# KiCad board mtk64_R_rev2.kicad_pcb (continued)
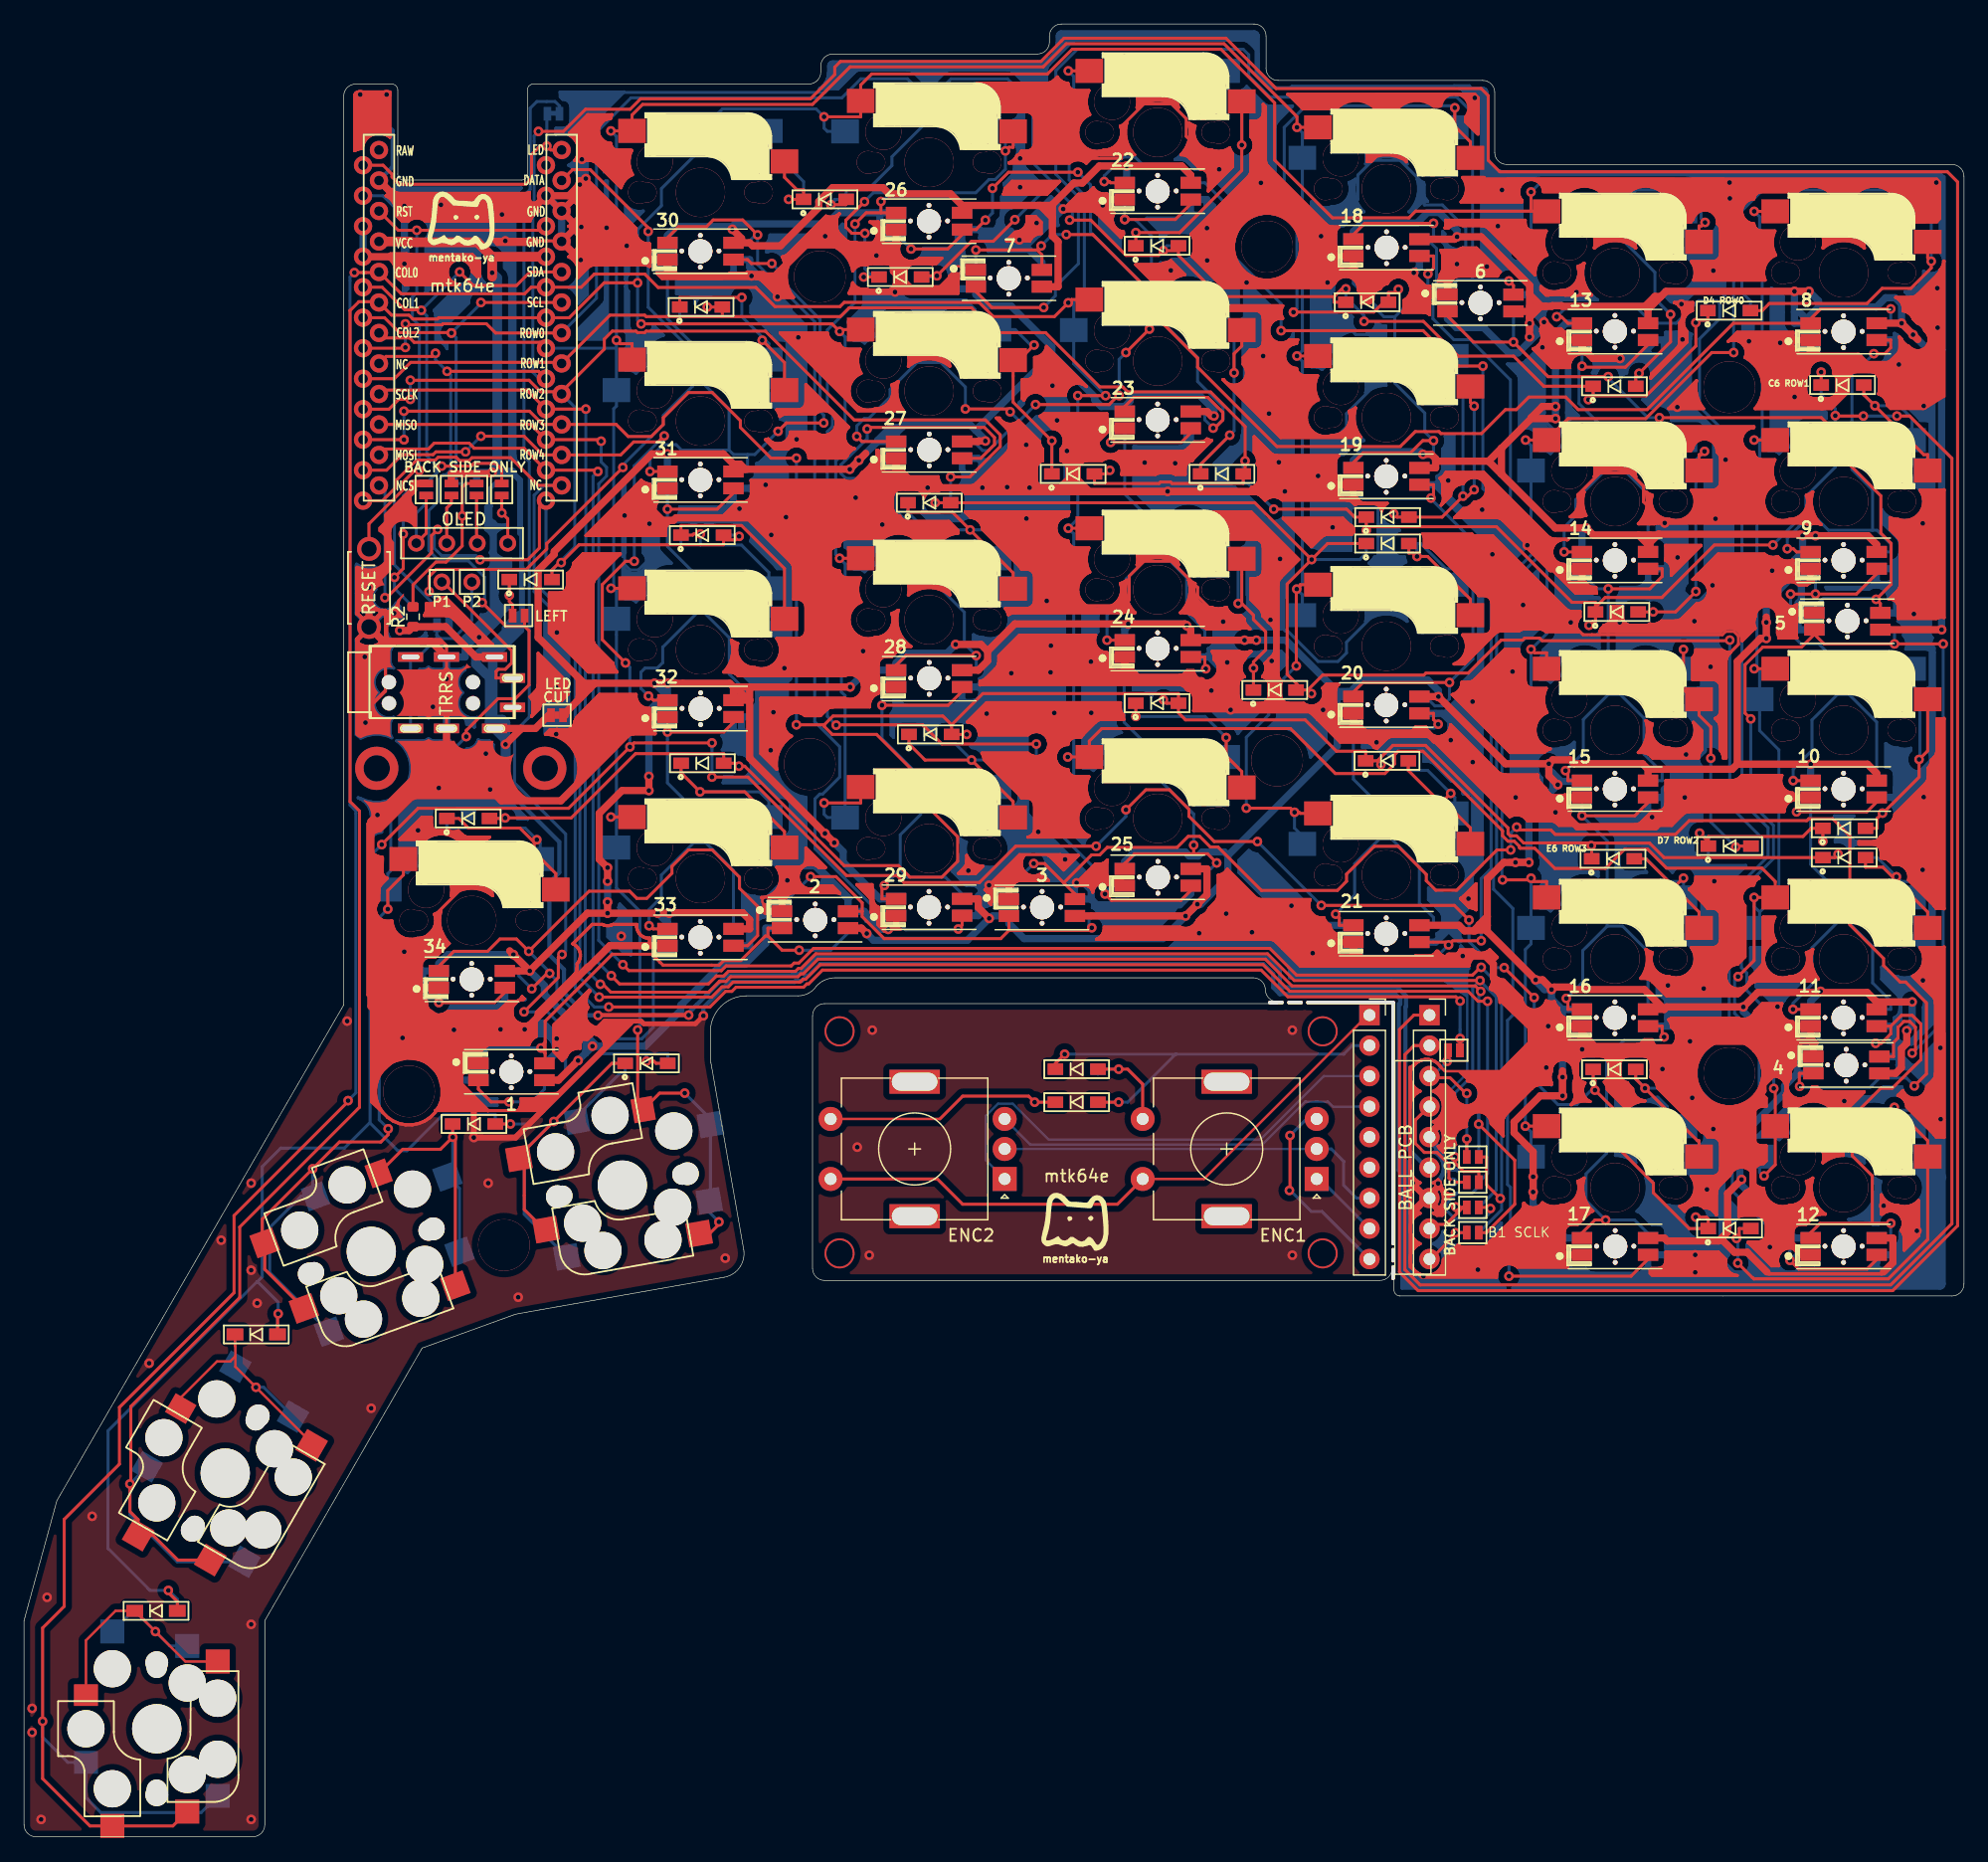
[diagram p0: board, top side]
## Routing (per net, layer and track width the routed paths; a pad name or vN(x,y) marks a point on that pad's centre or on a via; arc(x,y) is an arc through that point) (continued)
 48.3,67.52 48.47,67.63 ; 48.3,67.52 48.11,67.44 ; 48.3,67.52 48.47,67.63 ; 48.11,67.44 47.91,67.4 ; 48.11,67.44 47.91,67.4 ; 105.26,122.69 105.4,122.54 ; 105.26,122.69 105.4,122.54 ; 105.26,122.69 105.14,122.86 ; 105.26,122.69 105.14,122.86 ; 105.4,122.54 105.57,122.43 ; 105.4,122.54 105.57,122.43 ; 87.8,142.13 87.8,141.82 ; 87.8,142.13 87.8,141.82 ; 145.88,133.76 145.75,133.44 ; 145.88,133.76 145.75,133.44 ; 145.88,133.76 144.76,133.76 ; 145.88,133.76 144.76,133.76 ; 145.75,133.44 145.66,133.03 ; 145.75,133.44 145.66,133.03 ; 61.4,129.69 61.27,129.76 ; 61.4,129.69 61.52,129.59 ; 61.4,129.69 61.27,129.76 ; 61.4,129.69 61.52,129.59 ; 61.27,129.76 61.13,129.8 ; 61.27,129.76 61.13,129.8 ; 63.55,93.29 63.44,93.12 ; 63.55,93.29 63.7,93.43 ; 63.55,93.29 63.7,93.43 ; 63.55,93.29 63.44,93.12 ; 63.44,93.12 63.36,92.93 ; 63.44,93.12 63.36,92.93 ; 89.94,140.49 90.11,140.49 ; 89.94,140.49 89.84,140.45 ; 89.94,140.49 89.84,140.45 ; 89.94,140.49 90.11,140.49 ; 90.11,140.49 90.39,140.55 ; 90.11,140.49 90.39,140.55 ; 42.38,94.6 42.34,94.72 ; 42.38,94.6 42.34,94.72 ; 42.34,94.72 42.28,94.83 ; 42.34,94.72 42.28,94.83 ; 68.91,112.87 69.11,112.91 ; 68.91,112.87 69.11,112.91 ; 68.91,112.87 68.7,112.87 ; 68.91,112.87 68.7,112.87 ; 69.11,112.91 69.29,112.99 ; 69.11,112.91 69.29,112.99 ; 125.47,133.81 125.59,133.77 ; 125.47,133.81 125.36,133.87 ; 125.47,133.81 125.36,133.87 ; 125.47,133.81 125.59,133.77 ; 125.59,133.77 125.71,133.76 ; 125.59,133.77 125.71,133.76 ; 155.39,81.33 155.36,81.35 ; 155.39,81.33 155.42,81.3 ; 155.39,81.33 155.42,81.3 ; 155.39,81.33 155.36,81.35 ; 155.36,81.35 155.3,81.4 ; 155.36,81.35 155.3,81.4 ; 74.94,111.6 74.93,111.73 ; 74.94,111.6 74.94,111.48 ; 74.94,111.6 74.94,111.48 ; 74.94,111.6 74.93,111.73 ; 74.93,111.73 74.89,111.84 ; 74.93,111.73 74.89,111.84 ; 87.02,88.7 87.08,88.59 ; 87.02,88.7 87.08,88.59 ; 87.02,88.7 86.98,88.82 ; 87.02,88.7 86.98,88.82 ; 87.08,88.59 87.16,88.49 ; 87.08,88.59 87.16,88.49 ; 42.22,136.09 42.28,135.98 ; 42.22,136.09 42.13,136.35 ; 42.22,136.09 42.28,135.98 ; 42.22,136.09 42.13,136.35 ; 42.28,135.98 42.52,135.91 ; 42.28,135.98 42.52,135.91 ; 59.43,99.31 59.37,99.02 ; 59.43,99.31 59.47,99.4 ; 59.43,99.31 59.47,99.4 ; 59.43,99.31 59.37,99.02 ; 59.37,99.02 59.37,98.73 ; 59.37,99.02 59.37,98.73 ; 70.47,114.17 70.53,114.32 ; 70.47,114.17 70.36,114 ; 70.47,114.17 70.36,114 ; 70.47,114.17 70.53,114.32 ; 70.53,114.32 70.54,114.33 ; 70.53,114.32 70.54,114.33 ; 127.94,128.75 128.04,128.79 ; 127.94,128.75 128.04,128.79 ; 127.94,128.75 127.64,128.69 ; 127.94,128.75 127.64,128.69 ; 128.04,128.79 128.21,128.79 ; 128.04,128.79 128.21,128.79 ; 42.68,61.53 42.55,61.49 ; 42.68,61.53 42.8,61.59 ; 42.68,61.53 42.55,61.49 ; 42.68,61.53 42.8,61.59 ; 42.55,61.49 42.44,61.48 ; 42.55,61.49 42.44,61.48 ; 101.79,130.29 102.25,129.98 ; 101.79,130.29 101.4,130.68 ; 101.79,130.29 101.4,130.68 ; 101.79,130.29 102.25,129.98 ; 102.25,129.98 102.75,129.77 ; 102.25,129.98 102.75,129.77 ; 135.91,72.18 136.11,71.97 ; 135.91,72.18 135.74,72.42 ; 135.91,72.18 135.74,72.42 ; 135.91,72.18 136.11,71.97 ; 136.11,71.97 136.36,71.81 ; 136.11,71.97 136.36,71.81 ; 102.17,138.52 102.09,138.38 ; 102.17,138.52 102.09,138.38 ; 128.37,104.88 128.43,104.77 ; 128.37,104.88 128.33,105 ; 128.37,104.88 128.33,105 ; 128.37,104.88 128.43,104.77 ; 128.43,104.77 128.51,104.67 ; 128.43,104.77 128.51,104.67 ; 90.33,135.52 90.41,135.42 ; 90.33,135.52 90.27,135.63 ; 90.33,135.52 90.41,135.42 ; 90.33,135.52 90.27,135.63 ; 90.41,135.42 90.51,135.35 ; 90.41,135.42 90.51,135.35 ; 94.95,108.33 95.11,107.94 ; 94.95,108.33 94.87,108.75 ; 94.95,108.33 94.87,108.75 ; 94.95,108.33 95.11,107.94 ; 95.11,107.94 95.34,107.59 ; 95.11,107.94 95.34,107.59 ; 111.68,130.13 111.71,130.13 ; 111.68,130.13 111.57,130.14 ; 111.68,130.13 111.71,130.13 ; 111.68,130.13 111.57,130.14 ; 111.71,130.13 111.74,130.13 ; 111.71,130.13 111.74,130.13 ; 87.49,145.47 87.61,145.46 ; 87.49,145.47 87.37,145.51 ; 87.49,145.47 87.37,145.51 ; 87.49,145.47 87.61,145.46 ; 87.61,145.46 88.73,145.46 ; 87.61,145.46 88.73,145.46 ; 90.05,81.15 90.17,81.25 ; 90.05,81.15 89.92,81.08 ; 90.05,81.15 89.92,81.08 ; 90.05,81.15 90.17,81.25 ; 90.17,81.25 90.19,81.28 ; 90.17,81.25 90.19,81.28 ; 133.44,114.94 133.74,114.65 ; 133.44,114.94 133.21,115.29 ; 133.44,114.94 133.74,114.65 ; 133.44,114.94 133.21,115.29 ; 133.74,114.65 134.09,114.41 ; 133.74,114.65 134.09,114.41 ; 89.07,78.83 89.04,78.69 ; 89.07,78.83 89.04,78.69 ; 89.07,78.83 89.15,79.02 ; 89.07,78.83 89.15,79.02 ; 89.04,78.69 89.04,78.73 ; 89.04,78.69 89.04,78.73 ; 97.27,75.78 97.44,75.9 ; 97.27,75.78 97.08,75.7 ; 97.27,75.78 97.08,75.7 ; 97.27,75.78 97.44,75.9 ; 97.44,75.9 97.58,76.04 ; 97.44,75.9 97.58,76.04 ; 74.01,131.03 73.89,130.99 ; 74.01,131.03 74.14,131.04 ; 74.01,131.03 74.14,131.04 ; 74.01,131.03 73.89,130.99 ; 73.89,130.99 73.78,130.93 ; 73.89,130.99 73.78,130.93 ; 74.14,128.81 75.44,128.81 ; 74.14,128.81 75.44,128.81 ; 74.14,128.81 74.01,128.82 ; 74.14,128.81 74.01,128.82 ; 75.44,128.81 75.56,128.82 ; 75.44,128.81 75.56,128.82 ; 127.87,68.93 127.87,68.89 ; 127.87,68.93 127.87,68.89 ; 127.87,68.93 127.87,68.96 ; 127.87,68.93 127.87,68.96 ; 127.87,68.89 127.88,68.88 ; 127.87,68.89 127.88,68.88 ; 90.38,117.2 90.35,117.17 ; 90.38,117.2 91.58,117.2 ; 90.38,117.2 90.35,117.17 ; 90.38,117.2 91.58,117.2 ; 90.35,117.17 90.23,117.15 ; 90.35,117.17 90.23,117.15 ; 102.85,123.92 102.96,123.98 ; 102.85,123.92 102.73,123.88 ; 102.85,123.92 102.96,123.98 ; 102.85,123.92 102.73,123.88 ; 102.96,123.98 103.06,124.05 ; 102.96,123.98 103.06,124.05 ; 113.47,111.01 113.33,110.86 ; 113.47,111.01 113.33,110.86 ; 113.47,111.01 113.58,111.08 ; 113.47,111.01 113.58,111.08 ; 113.33,110.86 113.22,110.69 ; 113.33,110.86 113.22,110.69 ; 82.19,77.96 81.93,77.96 ; 82.19,77.96 81.93,77.96 ; 82.19,77.96 82.19,77.98 ; 82.19,77.96 82.19,77.98 ; 81.93,77.96 81.93,77.98 ; 81.93,77.96 81.93,77.98 ; 72.95,75.59 72.79,75.75 ; 72.95,75.59 72.79,75.75 ; 33.26,73.08 33.18,72.98 ; 33.26,73.08 33.36,73.16 ; 33.26,73.08 33.18,72.98 ; 33.26,73.08 33.36,73.16 ; 33.18,72.98 33.12,72.87 ; 33.18,72.98 33.12,72.87 ; 49.01,74.28 48.97,74.28 ; 49.01,74.28 49.05,74.28 ; 49.01,74.28 48.97,74.28 ; 49.01,74.28 49.05,74.28 ; 48.97,74.28 48.86,74.26 ; 48.97,74.28 48.86,74.26 ; 28.07,131.62 28.05,131.63 ; 28.07,131.62 28.05,131.6 ; 28.07,131.62 28.05,131.63 ; 28.07,131.62 28.05,131.6 ; 28.05,131.63 28.23,131.81 ; 28.05,131.63 28.23,131.81 ; 128.48,48.35 128.33,48.19 ; 128.48,48.35 128.33,48.19 ; 128.48,48.35 129.68,48.35 ; 128.48,48.35 129.68,48.35 ; 84.58,120.3 84.38,120.34 ; 84.58,120.3 84.77,120.22 ; 84.58,120.3 84.77,120.22 ; 84.58,120.3 84.38,120.34 ; 84.38,120.34 84.18,120.34 ; 84.38,120.34 84.18,120.34 ; 122.24,70.6 122.21,70.6 ; 122.24,70.6 122.21,70.6 ; 70.48,134.51 70.48,134.52 ; 70.48,134.51 70.55,134.49 ; 70.48,134.51 70.48,134.52 ; 70.48,134.51 70.55,134.49 ; 70.48,134.52 71.19,134.52 ; 70.48,134.52 71.19,134.52 ; 44.66,65.38 44.56,65.46 ; 44.66,65.38 44.56,65.46 ; 44.66,65.38 44.74,65.28 ; 44.66,65.38 44.74,65.28 ; 44.56,65.46 44.45,65.51 ; 44.56,65.46 44.45,65.51 ; 100.92,120.91 101.12,120.95 ; 100.92,120.91 100.72,120.91 ; 100.92,120.91 101.12,120.95 ; 100.92,120.91 100.72,120.91 ; 101.12,120.95 101.31,121.03 ; 101.12,120.95 101.31,121.03 ; 71.69,113.7 71.81,113.69 ; 71.69,113.7 71.81,113.69 ; 71.69,113.7 71.57,113.74 ; 71.69,113.7 71.57,113.74 ; 71.81,113.69 72.37,113.69 ; 71.81,113.69 72.37,113.69 ; 87.86,141.51 87.98,141.22 ; 87.86,141.51 87.8,141.82 ; 87.86,141.51 87.98,141.22 ; 87.86,141.51 87.8,141.82 ; 87.98,141.22 88.15,140.97 ; 87.98,141.22 88.15,140.97 ; 47,94.19 47.03,94.23 ; 47,94.19 46.97,94.16 ; 47,94.19 46.97,94.16 ; 47,94.19 47.03,94.23 ; 47.03,94.23 47.31,94.5 ; 47.03,94.23 47.31,94.5 ; 129.96,65.03 129.84,64.99 ; 129.96,65.03 130.09,65.04 ; 129.96,65.03 130.09,65.04 ; 129.96,65.03 129.84,64.99 ; 129.84,64.99 129.73,64.93 ; 129.84,64.99 129.73,64.93 ; 119.51,130.01 119.41,130 ; 119.51,130.01 119.41,130 ; 119.51,130.01 119.55,130.01 ; 119.51,130.01 119.55,130.01 ; 119.41,130 119.28,129.96 ; 119.41,130 119.28,129.96 ; 95.03,131.09 95.23,131.13 ; 95.03,131.09 94.95,131.09 ; 95.03,131.09 95.23,131.13 ; 95.03,131.09 94.95,131.09 ; 95.23,131.13 95.42,131.21 ; 95.23,131.13 95.42,131.21 ; 81.73,137.28 82.34,137.9 ; 81.73,137.28 82.34,137.9 ; 81.73,137.28 81.73,137.22 ; 81.73,137.28 81.73,137.22 ; 82.34,137.9 86.29,137.9 ; 82.34,137.9 86.29,137.9 ; 118.91,134.19 118.74,134.08 ; 118.91,134.19 118.74,134.08 ; 118.91,134.19 119.1,134.27 ; 118.91,134.19 119.1,134.27 ; 118.74,134.08 118.67,134.01 ; 118.74,134.08 118.67,134.01 ; 127.3,122.39 125.74,123.94 ; 127.3,122.39 128.78,122.39 ; 127.3,122.39 125.74,123.94 ; 127.3,122.39 128.78,122.39 ; 74.66,112.13 74.55,112.19 ; 74.66,112.13 74.76,112.05 ; 74.66,112.13 74.55,112.19 ; 74.66,112.13 74.76,112.05 ; 74.55,112.19 74.43,112.23 ; 74.55,112.19 74.43,112.23 ; 133.24,117.37 133.21,117.32 ; 133.24,117.37 133.21,117.32 ; 133.21,117.32 133.05,116.93 ; 133.21,117.32 133.05,116.93 ; 63,90.67 62.79,90.16 ; 63,90.67 62.79,90.16 ; 63,90.67 63.3,91.13 ; 63,90.67 63.3,91.13 ; 62.79,90.16 62.68,89.62 ; 62.79,90.16 62.68,89.62 ; 58.74,97.6 58.94,98.09 ; 58.74,97.6 58.94,98.09 ; 58.74,97.6 58.45,97.16 ; 58.74,97.6 58.45,97.16 ; 89.4,79.33 89.26,79.19 ; 89.4,79.33 89.57,79.45 ; 89.4,79.33 89.26,79.19 ; 89.4,79.33 89.57,79.45 ; 89.26,79.19 89.15,79.02 ; 89.26,79.19 89.15,79.02 ; 68.77,128.63 68.98,129.14 ; 68.77,128.63 68.73,128.57 ; 68.77,128.63 68.73,128.57 ; 68.77,128.63 68.98,129.14 ; 68.98,129.14 69.04,129.44 ; 68.98,129.14 69.04,129.44 ; 117.11,126.79 117.02,126.87 ; 117.11,126.79 117.11,127.56 ; 117.11,126.79 117.11,127.56 ; 117.11,126.79 117.02,126.87 ; 117.02,126.87 116.88,126.94 ; 117.02,126.87 116.88,126.94 ; 100.19,127.13 100.07,127.1 ; 100.19,127.13 100.07,127.1 ; 100.19,127.13 100.31,127.14 ; 100.19,127.13 100.31,127.14 ; 100.07,127.1 99.96,127.04 ; 100.07,127.1 99.96,127.04 ; 111.57,111.09 111.68,111.08 ; 111.57,111.09 111.68,111.08 ; 111.57,111.09 111.44,111.13 ; 111.57,111.09 111.44,111.13 ; 111.68,111.08 111.71,111.08 ; 111.68,111.08 111.71,111.08 ; 102.75,129.77 103.29,129.67 ; 102.75,129.77 103.29,129.67 ; 83.21,81.56 83.13,81.37 ; 83.21,81.56 83.32,81.73 ; 83.21,81.56 83.13,81.37 ; 83.21,81.56 83.32,81.73 ; 83.13,81.37 83.09,81.17 ; 83.13,81.37 83.09,81.17 ; 127.66,64.58 127.52,64.46 ; 127.66,64.58 127.83,64.67 ; 127.66,64.58 127.83,64.67 ; 127.66,64.58 127.52,64.46 ; 127.52,64.46 127.4,64.32 ; 127.52,64.46 127.4,64.32 ; 130.12,104.49 130.18,104.39 ; 130.12,104.49 130.1,104.49 ; 130.12,104.49 130.18,104.39 ; 130.12,104.49 130.1,104.49 ; 130.18,104.39 130.27,104.28 ; 130.18,104.39 130.27,104.28 ; 68.58,117.31 68.47,117.14 ; 68.58,117.31 68.7,117.42 ; 68.58,117.31 68.47,117.14 ; 68.58,117.31 68.7,117.42 ; 68.47,117.14 68.39,116.95 ; 68.47,117.14 68.39,116.95 ; 72.79,134 72.81,134 ; 72.79,134 72.79,134.02 ; 72.79,134 72.79,134.02 ; 72.79,134 72.81,134 ; 72.81,134 72.81,133.75 ; 72.81,134 72.81,133.75 ; 71.57,98.27 71.46,98.21 ; 71.57,98.27 71.69,98.3 ; 71.57,98.27 71.69,98.3 ; 71.57,98.27 71.46,98.21 ; 71.46,98.21 71.36,98.13 ; 71.46,98.21 71.36,98.13 ; 148.5,120.21 148.55,120.1 ; 148.5,120.21 148.46,120.33 ; 148.5,120.21 148.55,120.1 ; 148.5,120.21 148.46,120.33 ; 148.55,120.1 148.63,120 ; 148.55,120.1 148.63,120 ; 42.7,135.73 42.77,135.49 ; 42.7,135.73 43.49,136.52 ; 42.7,135.73 43.49,136.52 ; 42.7,135.73 42.77,135.49 ; 42.77,135.49 42.9,135.43 ; 42.77,135.49 42.9,135.43 ; 89.77,75.06 89.88,75.23 ; 89.77,75.06 89.88,75.23 ; 89.77,75.06 89.62,74.92 ; 89.77,75.06 89.62,74.92 ; 89.88,75.23 89.96,75.42 ; 89.88,75.23 89.96,75.42 ; 31.25,129.75 30.94,130.05 ; 31.25,129.75 31.31,129.71 ; 31.25,129.75 30.94,130.05 ; 31.25,129.75 31.31,129.71 ; 30.94,130.05 30.97,130.21 ; 30.94,130.05 30.97,130.21 ; 103.43,97.05 103.47,97.25 ; 103.43,97.05 103.35,96.86 ; 103.43,97.05 103.47,97.25 ; 103.43,97.05 103.35,96.86 ; 103.47,97.25 103.47,97.45 ; 103.47,97.25 103.47,97.45 ; 67.37,94.12 67.26,94.11 ; 67.37,94.12 67.26,94.11 ; 67.37,94.12 67.41,94.12 ; 67.37,94.12 67.41,94.12 ; 69.87,99.85 70.17,99.79 ; 69.87,99.85 69.58,99.97 ; 69.87,99.85 70.17,99.79 ; 69.87,99.85 69.58,99.97 ; 70.17,99.79 70.49,99.79 ; 70.17,99.79 70.49,99.79 ; 141.05,115.51 141.01,115.71 ; 141.05,115.51 141.05,115.34 ; 141.05,115.51 141.05,115.34 ; 141.05,115.51 141.01,115.71 ; 141.01,115.71 140.94,115.9 ; 141.01,115.71 140.94,115.9 ; 63.3,130.75 63.34,130.95 ; 63.3,130.75 63.22,130.56 ; 63.3,130.75 63.22,130.56 ; 63.3,130.75 63.34,130.95 ; 63.34,130.95 63.34,131.15 ; 63.34,130.95 63.34,131.15 ; 45.95,71.95 46.03,72.08 ; 45.95,71.95 45.89,71.87 ; 45.95,71.95 45.89,71.87 ; 45.95,71.95 46.03,72.08 ; 46.03,72.08 46.04,72.12 ; 46.03,72.08 46.04,72.12 ; 128.51,66.57 128.61,66.49 ; 128.51,66.57 128.43,66.67 ; 128.51,66.57 128.43,66.67 ; 128.51,66.57 128.61,66.49 ; 128.61,66.49 128.72,66.44 ; 128.61,66.49 128.72,66.44 ; 89.62,116.64 89.54,116.45 ; 89.62,116.64 89.73,116.81 ; 89.62,116.64 89.73,116.81 ; 89.62,116.64 89.54,116.45 ; 89.54,116.45 89.5,116.25 ; 89.54,116.45 89.5,116.25 ; 73.03,119.15 73.28,118.78 ; 73.03,119.15 73.28,118.78 ; 73.28,118.78 69.48,118.78 ; 73.28,118.78 69.48,118.78 ; 74.92,105.83 75,106.25 ; 74.92,105.83 75,106.25 ; 75,106.25 75,106.67 ; 75,106.25 75,106.67 ; 118.1,61.49 117.95,61.71 ; 118.1,61.49 117.95,61.71 ; 118.1,61.49 118.2,61.23 ; 118.1,61.49 118.2,61.23 ; 117.95,61.71 117.75,61.91 ; 117.95,61.71 117.75,61.91 ; 96.57,115.4 96.71,115.44 ; 96.57,115.4 96.46,115.39 ; 96.57,115.4 96.71,115.44 ; 96.57,115.4 96.46,115.39 ; 96.71,115.44 96.84,115.52 ; 96.71,115.44 96.84,115.52 ; 115.17,128.1 115.31,128.25 ; 115.17,128.1 115,127.99 ; 115.17,128.1 115,127.99 ; 115.17,128.1 115.31,128.25 ; 115.31,128.25 115.43,128.42 ; 115.31,128.25 115.43,128.42 ; 133.05,63.21 133.1,63.1 ; 133.05,63.21 133.01,63.33 ; 133.05,63.21 133.1,63.1 ; 133.05,63.21 133.01,63.33 ; 133.1,63.1 133.18,63 ; 133.1,63.1 133.18,63 ; 141.01,53.54 141.01,51.8 ; 141.01,53.54 141,53.59 ; 141.01,53.54 141.01,51.8 ; 141.01,53.54 141,53.59 ; 141.01,51.8 140.96,51.89 ; 141.01,51.8 140.96,51.89 ; 111.13,130.44 111.22,130.33 ; 111.13,130.44 111.22,130.33 ; 111.13,130.44 111.07,130.54 ; 111.13,130.44 111.07,130.54 ; 111.22,130.33 111.32,130.24 ; 111.22,130.33 111.32,130.24 ; 123.52,60.24 123.48,60.21 ; 123.52,60.24 125.63,62.35 ; 123.52,60.24 123.48,60.21 ; 123.52,60.24 125.63,62.35 ; 123.48,60.21 123.37,60.07 ; 123.48,60.21 123.37,60.07 ; 93.19,106.26 92.75,105.96 ; 93.19,106.26 92.75,105.96 ; 93.19,106.26 93.68,106.46 ; 93.19,106.26 93.68,106.46 ; 92.75,105.96 92.73,105.95 ; 92.75,105.96 92.73,105.95 ; 103.49,139.38 103.56,139.24 ; 103.49,139.38 103.45,139.52 ; 103.49,139.38 103.56,139.24 ; 103.49,139.38 103.45,139.52 ; 103.56,139.24 103.6,139.2 ; 103.56,139.24 103.6,139.2 ; 63.31,76.96 63.29,76.96 ; 63.31,76.96 63.31,77.22 ; 63.31,76.96 63.31,77.22 ; 63.31,76.96 63.29,76.96 ; 63.29,76.96 63.29,76.94 ; 63.29,76.96 63.29,76.94 ; 91.66,104.52 91.88,104.67 ; 91.66,104.52 91.88,104.67 ; 91.66,104.52 91.35,104.4 ; 91.66,104.52 91.35,104.4 ; 91.88,104.67 91.88,104.66 ; 91.88,104.67 91.88,104.66 ; 38.15,65.56 37.99,65.4 ; 38.15,65.56 38.17,65.56 ; 38.15,65.56 38.17,65.56 ; 38.15,65.56 37.99,65.4 ; 37.99,65.4 37.99,64.55 ; 37.99,65.4 37.99,64.55 ; 101.26,101.7 101.39,101.73 ; 101.26,101.7 101.06,101.7 ; 101.26,101.7 101.06,101.7 ; 101.26,101.7 101.39,101.73 ; 101.39,101.73 101.68,101.44 ; 101.39,101.73 101.68,101.44 ; 145.52,109.99 145.3,110.22 ; 145.52,109.99 145.3,110.22 ; 97.47,104.02 97.47,103.73 ; 97.47,104.02 97.47,103.73 ; 97.47,104.02 97.53,104.31 ; 97.47,104.02 97.53,104.31 ; 97.47,103.73 97.53,103.44 ; 97.47,103.73 97.53,103.44 ; 137.73,134.47 137.38,134.71 ; 137.73,134.47 137.38,134.71 ; 137.73,134.47 137.93,134.27 ; 137.73,134.47 137.93,134.27 ; 137.38,134.71 137.17,134.8 ; 137.38,134.71 137.17,134.8 ; 87.86,85.29 87.8,84.98 ; 87.86,85.29 87.98,85.58 ; 87.86,85.29 87.8,84.98 ; 87.86,85.29 87.98,85.58 ; 87.8,84.98 87.8,84.67 ; 87.8,84.98 87.8,84.67 ; 42.28,94.83 42.21,94.93 ; 42.28,94.83 42.21,94.93 ; 42.21,94.93 42.16,94.96 ; 42.21,94.93 42.16,94.96 ; 103.62,96.36 103.54,96.45 ; 103.62,96.36 103.67,96.24 ; 103.62,96.36 103.54,96.45 ; 103.62,96.36 103.67,96.24 ; 103.54,96.45 103.44,96.53 ; 103.54,96.45 103.44,96.53 ; 111.42,128.3 111.41,128.43 ; 111.42,128.3 111.42,127.76 ; 111.42,128.3 111.42,127.76 ; 111.42,128.3 111.41,128.43 ; 111.41,128.43 111.37,128.54 ; 111.41,128.43 111.37,128.54 ; 44.6,135.41 44.61,135.43 ; 44.6,135.41 44.78,135.23 ; 44.6,135.41 44.61,135.43 ; 44.6,135.41 44.78,135.23 ; 44.61,135.43 43.83,136.21 ; 44.61,135.43 43.83,136.21 ; 115.49,60.97 115.49,60.69 115.49,60.97 ; 115.49,60.97 115.54,61.23 ; 115.49,60.97 115.54,61.23 ; 111.74,111.08 113.58,111.08 ; 111.74,111.08 111.71,111.08 ; 111.74,111.08 113.58,111.08 ; 111.74,111.08 111.71,111.08 ; 86.71,146.1 86.91,146.06 ; 86.71,146.1 86.52,146.18 ; 86.71,146.1 86.91,146.06 ; 86.71,146.1 86.52,146.18 ; 86.91,146.06 86.98,146.06 ; 86.91,146.06 86.98,146.06 ; 156.92,80.46 156.81,80.63 ; 156.92,80.46 157,80.27 ; 156.92,80.46 157,80.27 ; 156.92,80.46 156.81,80.63 ; 156.81,80.63 156.67,80.77 ; 156.81,80.63 156.67,80.77 ; 111.22,92.23 111.32,92.14 ; 111.22,92.23 111.13,92.34 ; 111.22,92.23 111.13,92.34 ; 111.22,92.23 111.32,92.14 ; 111.32,92.14 111.44,92.08 ; 111.32,92.14 111.44,92.08 ; 64.87,79.17 65.04,79.06 ; 64.87,79.17 65.04,79.06 ; 64.87,79.17 64.73,79.32 ; 64.87,79.17 64.73,79.32 ; 65.04,79.06 65.23,78.98 ; 65.04,79.06 65.23,78.98 ; 117.53,51.9 117.43,51.94 ; 117.53,51.9 117.43,51.94 ; 117.53,51.9 117.71,51.77 ; 117.53,51.9 117.71,51.77 ; 117.43,51.94 117.47,51.95 ; 117.43,51.94 117.47,51.95 ; 134.27,113.31 133.83,113.61 ; 134.27,113.31 134.29,113.3 ; 134.27,113.31 134.29,113.3 ; 134.27,113.31 133.83,113.61 ; 133.83,113.61 133.34,113.81 ; 133.83,113.61 133.34,113.81 ; 71.18,77.35 71.17,77.23 ; 71.18,77.35 71.17,77.23 ; 71.18,77.35 71.2,77.42 ; 71.18,77.35 71.2,77.42 ; 71.17,77.23 71.18,77.01 ; 71.17,77.23 71.18,77.01 ; 115.17,129.71 115,129.82 ; 115.17,129.71 115.31,129.57 ; 115.17,129.71 115,129.82 ; 115.17,129.71 115.31,129.57 ; 115,129.82 114.81,129.9 ; 115,129.82 114.81,129.9 ; 84.2,123.23 84.26,123.23 ; 84.2,123.23 84.2,122.01 ; 84.2,123.23 84.26,123.23 ; 84.2,123.23 84.2,122.01 ; 84.26,123.23 84.46,123.27 ; 84.26,123.23 84.46,123.27 ; 137.15,135.98 136.99,136.37 ; 137.15,135.98 137.24,135.57 ; 137.15,135.98 136.99,136.37 ; 137.15,135.98 137.24,135.57 ; 136.99,136.37 136.76,136.72 ; 136.99,136.37 136.76,136.72 ; 37.33,130.45 37.29,130.65 ; 37.33,130.45 37.29,130.65 ; 37.33,130.45 37.33,130.39 ; 37.33,130.45 37.33,130.39 ; 37.29,130.65 37.21,130.84 ; 37.29,130.65 37.21,130.84 ; 120.92,73.34 120.75,73.23 ; 120.92,73.34 120.75,73.23 ; 120.92,73.34 121.11,73.42 ; 120.92,73.34 121.11,73.42 ; 120.75,73.23 120.61,73.09 ; 120.75,73.23 120.61,73.09 ; 99.05,109.58 98.89,109.97 ; 99.05,109.58 98.89,109.97 ; 99.05,109.58 99.14,109.17 ; 99.05,109.58 99.14,109.17 ; 98.89,109.97 98.66,110.32 ; 98.89,109.97 98.66,110.32 ; 81.97,115.38 82.04,115.51 ; 81.97,115.38 82.04,115.51 ; 82.04,115.51 82.05,115.53 ; 82.04,115.51 82.05,115.53 ; 128.48,86.7 129.68,86.7 ; 128.48,86.7 129.68,86.7 ; 128.48,86.7 128.39,86.8 ; 128.48,86.7 128.39,86.8 ; 129.68,86.7 129.68,86.72 ; 129.68,86.7 129.68,86.72 ; 150.96,58.14 151.12,58.53 ; 150.96,58.14 150.73,57.79 ; 150.96,58.14 151.12,58.53 ; 150.96,58.14 150.73,57.79 ; 151.12,58.53 151.21,58.95 ; 151.12,58.53 151.21,58.95 ; 148.7,121.91 148.63,121.85 ; 148.7,121.91 148.63,121.85 ; 148.7,121.91 148.7,122.11 ; 148.7,121.91 148.7,122.11 ; 148.63,121.85 148.55,121.76 ; 148.63,121.85 148.55,121.76 ; 120.77,49.13 120.89,49.12 ; 120.77,49.13 120.71,49.15 ; 120.77,49.13 120.89,49.12 ; 120.77,49.13 120.71,49.15 ; 120.89,49.12 121.53,49.12 ; 120.89,49.12 121.53,49.12 ; 67.93,135.19 67.88,135.12 ; 67.93,135.19 67.88,135.12 ; 67.93,135.19 67.94,135.19 ; 67.93,135.19 67.94,135.19 ; 67.88,135.12 67.84,135.07 ; 67.88,135.12 67.84,135.07 ; 141.79,48.09 141.75,47.89 ; 141.79,48.09 141.19,48.69 ; 141.79,48.09 141.19,48.69 ; 141.79,48.09 141.75,47.89 ; 141.75,47.89 141.75,47.69 ; 141.75,47.89 141.75,47.69 ; 149.52,109.51 149.73,109.31 